# Altium PCB DAU-3Phase-Mainboard.PcbDoc (continued)
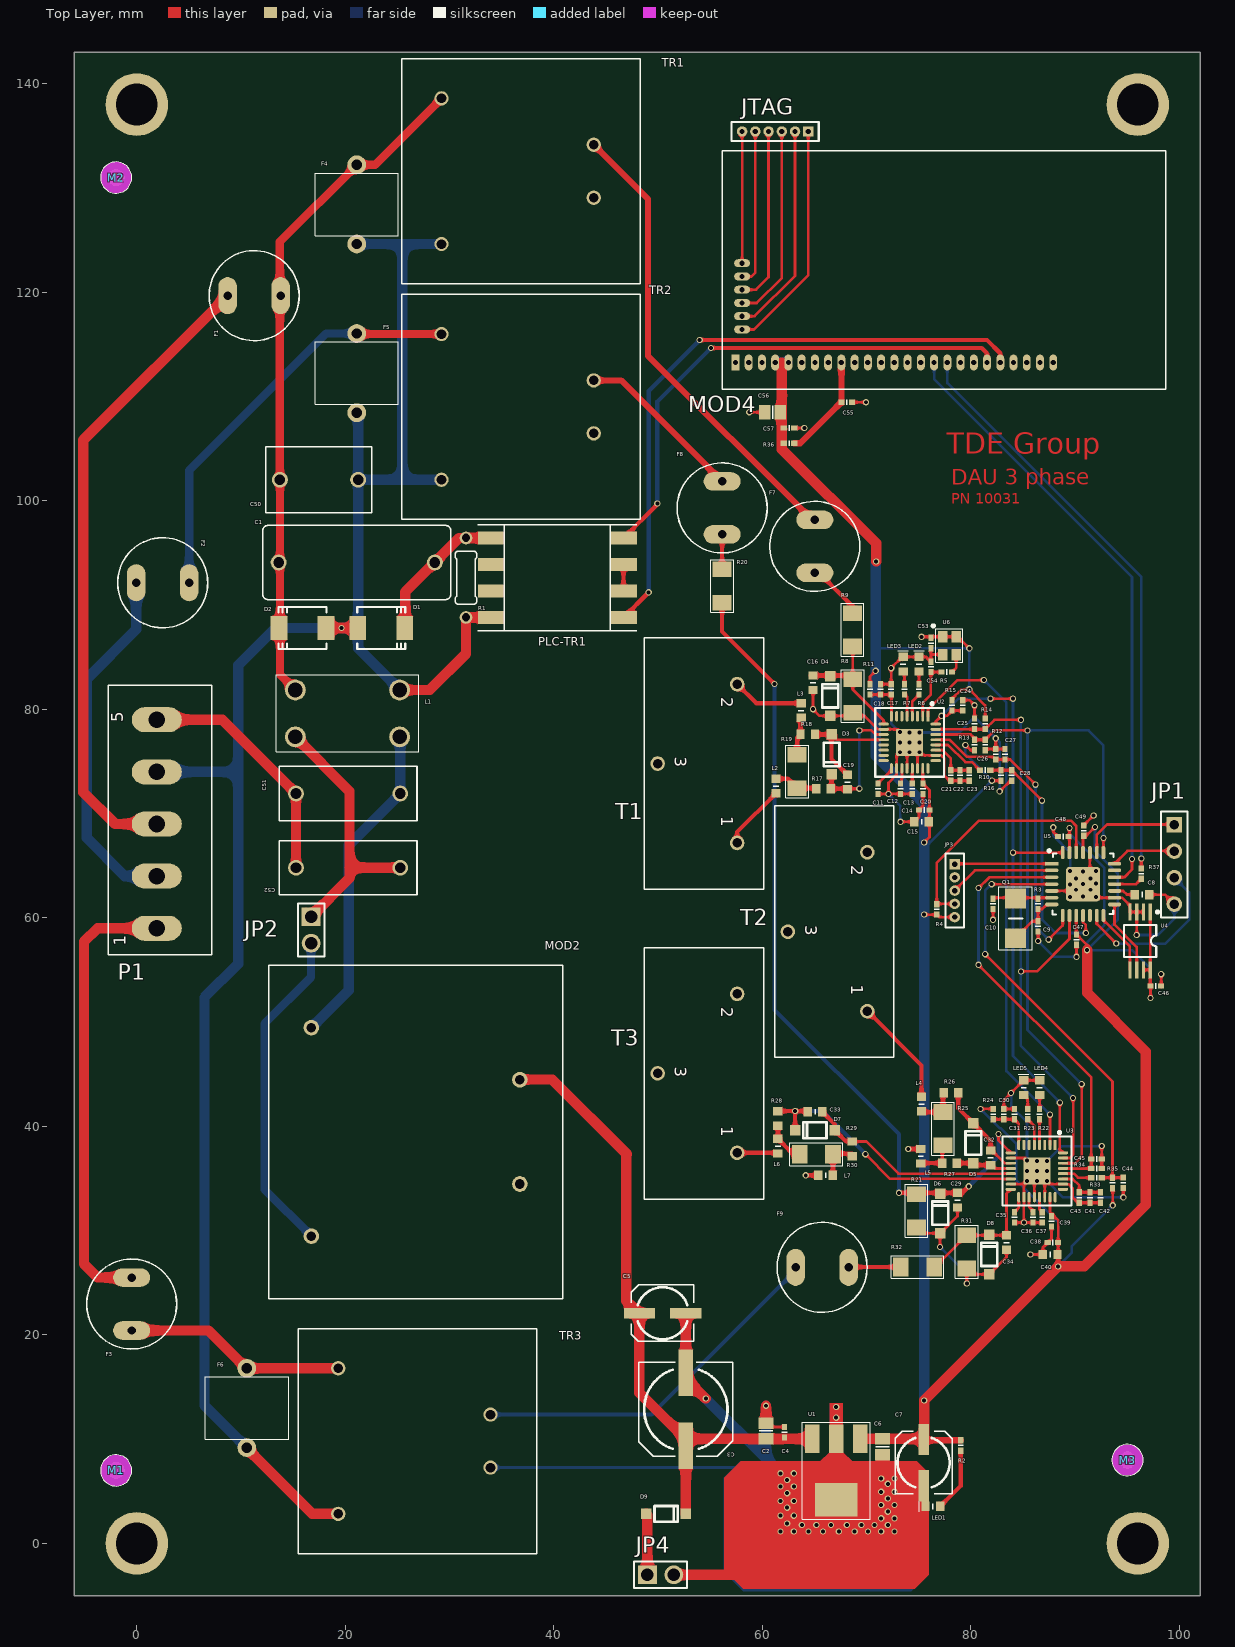
[diagram p0: Top Layer view]
## Footprints (in the part's own frame and the unit in brackets; to place one, negate y for a bottom-side part, rotate by r counter-clockwise, add the part's x,y. Pads: shape width x height; smd on the part's side, far side on the other; paste and mask are expansions set on the pad) (continued)
SMB [mm] "DO-214-AA/SMB; 2 C-Bend Leads; Body 5.3 x 3.6 mm, inc. leads (LxW)"
  rect 1.62x2.3 smd: 1(-2.25,0) 2(2.25,0)
  silkscreen extent -2.3,-2 2.3,2, body extent -2.3,-2 2.3,2, height 2.6
SOD123 [mm]
  rect 1x1 smd: 1(1.905,0) 2(-1.905,0)
  silkscreen extent -1.1,-0.76 1.14,0.76, body extent -1.4,-0.85 1.4,0.88, height 1.4
SOT223-1 [mm]
  rect 1.4x2.7 smd: 1(-2.3,-2.925) 2(0,-2.925) 3(2.3,-2.925)
  rect 4.1x3.2 smd: 2(0,2.925)
  silkscreen extent -3.25,-4.5 3.25,4.8, body extent -2.6,-2.85 2.5,2.9, height 2
TR5 [mil] "TR5"
  oval 70x140 hole 32: 1(-100,0) 2(100,0)
  silkscreen extent -170,-170 170,170, body extent -157,-163 168,163, height 343
TRAFO_0,35VA [mil] "TRAFO_0,35VA"
  round 54 hole 36: L(-287.5,275) N(-287.5,-275) OUT1(287.5,100) OUT2(287.5,-100)
  silkscreen extent -438,-425 462,425, body extent -438,-425 463,424, height 748
TSSOP8 [mm] "Shrink Small Outline, Plastic, Thin; 8 Leads; Body Width 4.4 mm; Pitch 0.65 mm"
  rect 0.3x1.65 smd: 1(-0.975,-2.775) 2(-0.325,-2.775) 3(0.325,-2.775) 4(0.975,-2.775) 5(0.975,2.775) 6(0.325,2.775) 7(-0.325,2.775) 8(-0.975,2.775)
  silkscreen extent -1.8,-2.9 1.55,1.55, body extent -1.52,-1.52 1.52,1.52, height 1
VTX-214-005-105 [mm] "VTX-214-005-105"
  round 1.5 hole 0.914: +VO(-5,10) -VO(5,10) L(10,-10) N(-10,-10)
  silkscreen extent -16,-14.1 16,14.1, body extent -16,-14.1 16,14.1, height 17.5
WE-0603 [mm] "Chip LED, 0603"
  rect 0.8x0.9 smd: 1(-0.7,0) 2(0.7,0)
  silkscreen extent -1.3,-0.5 0,0.5, body extent -0.8,-0.4 0.8,0.4, height 0.7
WE-CMB-XS [mm] "Filter choke"
  round 2 hole 1.4: 1(-5,-2.25) 2(5,-2.25) 3(5,2.25) 4(-5,2.25)
  silkscreen extent -6.85,-3.69 6.85,3.69, body extent -6.88,-3.75 6.91,3.75, height 16.32

## Part data
C1: "X2, PP"
C2 C6 C56: "AVX, X7R, 5%, 100V"
C3: "Panasonic, FT series"
C4 C9 C10 C17 C20 C21 C24 C25 C26 C27 C28 C31 C38 C43 C44 C45 C54 C57: "C series, 5%, 50V"
C5 C7: "Panasonic, TK series"
C8: "AVX ,  X5R, 20%, 10V"
C11 C12 C13 C14 C18 C22 C30 C35 C36 C37 C39 C42 C55: "AVX, X5R, 10%, 25V"
C15 C40: "MLCC series, X5R, 10%, 25V"
C16 C29 C34: "AVX ,  X7R, 5%, 50V"
C19 C32 C33: "GRM series,  X7R, 10%, 50V"
C23 C41: "AVX, X7R, 10%, 50V"
C46 C47 C48 C49: "C series, X5R, 10%, 50V"
C50: "X2 capacitor"
C51 C52: "Y2 capacitor"
C53: "TDK. CGA series, X7R, 10%, 16V"
D1 D2: "Transient voltage suppressor, 600W"
D3 D4 D5 D6 D7 D8: "Z-Diode, 1.8V,  0.5W"
D9: "Diode Schottky,2A,40V"
F4 F5 F6: "surge protector"
JP1: "Plug, 4-Pin"
JP2 JP4: "Header, 2-Pin"
JP3: "Header, 5-Pin"
JTAG: library part ICDI_1, "Header, 6-Pin"
L1: library part PowerChoke-1_2, "Power choke/EMC filter"
L2 L3 L4 L5 L6 L7: "WE, Ferrit, 1k5_50mA_0603"
LED1: "LED, 0603, green"
LED2 LED4: "LED, 0603, red"
LED3 LED5: "LED, 0603, yellow"
M1 M2 M3: library part Mark
MOD2: "PSU module"
MOD4: "RMS converter"
P1: "Plug, 08-Pin"
Q1: "Crystal, ABM3-8.000MHZ-D2Y-T"
R1: "MRS25 series, 1%, 600mW"
R2 R10 R11 R24 R33 R37: "CRCW series, 125mW, 1%"
R3 R36: "Vishay CRCW series, 64mW, 1%"
R4 R12 R13 R14 R15 R16 R34 R35: "Vishay CRCW series, 125mW, 1%"
R5 R6 R7 R22 R23: "Vishay CRCW series, 63mW, 1%"
R8 R9 R19 R20 R21 R25 R30 R31 R32: "MMA series, 1%, 250mW"
R17 R18 R26 R27 R28 R29: "Vishay CRCW series, 100mW, 1%"
T1 T2 T3: "Current transformer"
TR1 TR2 TR3: "WE-PD2, 10uH2A"
U1: "LDO, 3V3_1A"
U2 U3: "2 phase voltage/current measuring device"
U4: "I2C  EEPROM"
U5: "High Performance ROM-less Microcontroller"
U6: "Crystal"

## Free pads (board coordinates)
  round 6 hole 4 unplated: 0(0,0) 0(0,138) 0(96,0) 0(96,138)

## Via types
v1: diameter 0.6, hole 0.381, Top Layer to Bottom Layer, 141 vias

## Nets (pads, with @x,y where several pads share a name; then routed paths per layer and width w, separated by ;. In a path a pad name is that pad's centre, name@x,y a point inside that pad or via, vN(x,y) a via of type N, cw(c..) or ccw(c..) an arc to the next point about the centre after c; other vN are vias at no path point)
3V3: C6.1 C7.1 C14.1 C15.1 C20.1 C38.1 C39.1 C40.1 C46.2 C47.1 C48.1 C49.1 C53.1 C56.1 C57.1 JP3.5 MOD4.4 MOD4.5 R2.1 R4.2 R11.1 R13.1 R14.1 R15.1 R16.1 R24.1 R35.1 R36.1 U1.1 U2.23 U3.23 U4.1 U4.7 U4.8 U5.10 U5.25 U5.27 U6.1 U6.4 | length 318.7
  Top Layer w0.254: R11.1 70.314,83.141 v1(70.866,83.693) ; v1(75.267,86.953) U6.1 U6.4 78.623,86.992 78.696,86.992 v1(79.839,85.849) ; U2.23 75.374,72.907 C20.1 76.021,72.26 C14.1 76.021,67.732 v1(75.511,67.222) ; v1(75.519,60.308) R4.2 76.958,60.068 JP3.5 ; R15.1@78.188,80.749 78.188,81.023 79.077,81.912 v1(79.839,81.912) 81.363,80.388 R14.1 ; v1(79.458,76.578) 79.958,76.078 R13.1 ; v1(80.927,41.675) R24.1 ; v1(82.006,73.157) R16.1 ; U3.23 87.58,31.789 88.362,31.007 v1(88.362,26.57) ; U5.27 v1(89.45,68.626) ; U5.10 90.1,58.435 C47.1 91.142,57.393 v1(91.142,56.893) ; U5.25 90.75,67.558 v1(91.904,68.712) ; R35.1 93.599,34.041 v1(93.599,32.432) ; U4.7 U4.8 ; C46.2@97.178,53.499 C46.2 v1(97.226,52.315) ; C46.2@97.197,53.386 U4.8 ; U4.1 U4.8
  Top Layer w0.6: C7.1@75.393,10.034 C7.1 75.511,9.915 75.532,9.895 R2.1
  Top Layer w1: 61.859,113.259 61.859,104.956 70.908,95.907 v1(70.908,94.178) ; U1.1 C7.1@75.393,10.034 ; C7.1@75.511,9.915 v1(75.511,13.72) v1(88.362,26.57) 90.86,26.57 96.774,32.484 96.774,47.166 91.142,52.798 v1(91.142,56.893)
  Bottom Layer w0.254: 70.876,85.915 70.942,85.849 v1(79.839,85.849) v1(79.839,81.912) ; v1(75.511,67.222) 76.071,67.222 v1(82.006,73.157) 79.458,75.705 v1(79.458,76.578) ; v1(80.927,41.675) 82.795,39.807 82.869,39.807 84.328,38.348 84.328,34.845 88.362,30.811 v1(88.362,26.57) 89.662,27.87 89.662,28.495 v1(93.599,32.432) ; v1(89.45,68.626) 89.45,68.11 92.793,64.767 92.793,59.306 91.142,57.655 v1(91.142,56.893) ; v1(91.904,68.712) 91.904,66.418 94.063,64.259 94.063,59.814 v1(91.142,56.893) ; v1@97.246,52.202 97.246,55.107 95.46,56.893 v1(91.142,56.893)
  Bottom Layer w0.8: MOD4.4 MOD4.5
  Bottom Layer w1: v1@70.876,94.178 70.876,85.915 70.876,75.54 75.511,70.905 v1(75.511,67.222) v1(75.511,13.72)
5V: C2.1 C3.1 C4.1 C5.1 D9.1 MOD2.+VO U1.3 | length 62.2
  Top Layer w1: MOD2.+VO@36.753,44.494 39.853,44.494 47.012,37.335 46.946,37.269 46.946,23.27 C5.1@48.143,22.073 ; C5.1 48.204,14.456 C3.1@52.651,10.008 ; D9.1 C3.1 C3.1@52.651,10.008 ; U1.3 52.677,10.034 C3.1@52.651,10.008
GND: C2.2 C3.2 C4.2 C5.2 C6.2 C7.2 C8.2 C9.2 C10.2 C11.2 C12.2 C13.2 C14.2 C15.2 C16.2 C17.2 C18.2 C20.2 C21.2 C22.2 C23.2 C24.2 C25.2 C26.2 C27.2 C28.2 C29.2 C30.2 C31.2 C34.2 C35.2 C36.2 C37.2 C38.2 C39.2 C40.2 C41.2 C42.2 C43.2 C44.2 C45.2 C46.1 C47.2 C48.2 C49.2 C53.2 C54.2 C55.2 C56.2 C57.2 D4.2 D6.2 D8.2 JP1.4 JP3.2 JP4.2 L3.2 L5.2 L7.2 LED1.1 LED2.1 LED3.1 LED4.1 LED5.1 MOD2.-VO MOD4.2 MOD4.3 R8.1 R12.1 R21.1 R31.1 R34.1 T1.2 T2.2 T3.2 TR1.OUT2 TR2.OUT2 TR3.OUT2 U1.2 U2.10 U2.18 U2.20 U2.22 U2.26 U2.33 U3.10 U3.15 U3.18 U3.20 U3.22 U3.26 U3.33 U4.2 U4.3 U4.4 U5.5 U5.16 U5.24 U5.EXP U6.2 | length 270.9
  Top Layer w0.254: v1(58.748,108.497) C56.2 ; C2.2 60.722,11.165 C4.2 ; C57.2 v1(64.018,106.973) ; C16.2 v1(64.853,80.007) 65.488,79.372 D4.2 69.806,79.372 71.096,78.082 U2.10 72.874,78.082 v1(74.124,76.832) v1(75.074,75.882) 75.374,75.582 U2.26 77.152,75.582 77.426,75.308 77.426,73.665 77.934,73.157 C23.2@79.712,73.157 ; C55.2 v1(69.923,109.45) ; C11.2 v1(72.092,71.887) ; C18.2 C17.2 v1(72.346,83.944) 73.427,85.025 LED3.1 LED2.1 75.702,85.025 C54.2 76.156,85.214 ; v1(73.235,69.212) C15.2 75.021,69.666 C14.2 75.394,70.728 C20.2 ; U2.20 73.874,76.582 v1(73.174,75.882) 72.874,75.582 U2.18 72.874,73.729 72.092,72.947 v1(72.092,71.887) ; C13.2 C12.2 v1(72.092,71.887) ; R21.1 75.332,29.745 D6.2 ; U2.22 U2.33@74.874,75.882 ; L5.2@75.174,37.821 L5.2 ; C53.2 76.156,85.214 ; v1(77.035,28.423) 77.035,29.722 D6.2 ; U6.2 76.195,85.253 76.156,85.214 ; C29.2 78.71,31.396 D6.2 ; C24.2 79.855,80.88 v1(80.347,80.388) v1@80.355,80.38 ; v1(79.599,24.919) R31.1 80.158,25.808 D8.2 83.409,27.459 C34.2 ; C25.2 v1@80.347,80.372 ; C26.2 81.474,76.189 R12.1 ; v1(82.125,59.814) C10.2 ; v1(82.379,77.213) R12.1 ; v1(82.76,72.133) 83.784,73.157 C28.2 ; C27.2 R12.1 ; U3.15 U3.33@85.08,34.464 ; U3.10 85.08,36.964 v1(86.33,35.714) v1(87.28,34.764) 87.58,34.464 U3.26 89.358,34.464 89.759,34.063 89.759,33.174 90.259,32.674 C43.2 C41.2 C42.2 ; C35.2 C37.2 ; C31.2 C30.2 83.155,42.51 v1(83.852,43.207) LED5.1 LED4.1 ; v1(85.08,30.781) U3.18 U3.33@85.08,34.464 ; v1(85.695,27.713) C40.2 86.9,28.402 C38.2 87.727,29.229 C39.2 ; U3.20 86.08,35.464 v1(85.38,34.764) U3.33@85.08,34.464 ; v1(86.443,57.782) C9.2 ; U3.22 U3.33@87.08,34.764 ; U5.5 90.1,62.582 U5.EXP@90.75,63.232 ; v1(87.894,68.682) 87.894,68.246 C48.2 ; v1(90.126,56.258) C47.2 ; C49.2@90.815,68.873 v1(91.767,69.825) ; U5.24 91.41,63.892 U5.EXP@90.75,63.232 ; R34.1 C45.2 v1(92.545,38.109) ; v1(94.615,33.194) C44.2@94.615,33.964 ; v1(95.897,58.354) U4.3 ; U4.2 U4.3 ; C8.2 98.604,62.227 JP1.4 ; C46.1@98.246,53.337 v1(98.246,54.599) ; U5.EXP@90.75,63.232 92.05,61.932 U5.16 94.485,61.932 95.247,61.17 U4.4 U4.3
  Top Layer w0.4: T1.2 59.413,80.58 L3.2 ; v1(64.155,35.303) L7.2 ; v1(73.987,37.821) L5.2@75.174,37.821
  Top Layer w1: JP4.2 57.604,-3.009 57.668,-2.946 ; C5.2 52.651,22.071 C3.2 52.651,15.818 v1(54.572,13.898) ; C2.2 v1(60.345,13.205) ; C6.2 71.521,7.473 71.564,7.429
  Bottom Layer w0.254: TR3.OUT2 61.192,7.278 v1(61.742,6.728) ; v1(72.092,71.887) 73.235,70.744 v1(73.235,69.212) ; v1(72.346,83.944) 72.346,78.66 v1(73.174,77.832) ; v1(75.074,77.782) 78.884,77.782 80.347,79.245 ; v1(77.035,28.423) 79.599,25.86 v1(79.599,24.919) ; v1(80.347,80.388) 80.347,79.245 ; v1(82.76,72.133) 82.76,76.832 v1(82.379,77.213) 80.347,79.245 ; v1(83.852,43.207) 83.852,41.925 85.38,40.397 v1(85.38,36.714) ; v1(86.443,57.782) 87.967,56.258 v1(90.126,56.258) ; v1(87.28,34.764) 88.85,33.194 v1(94.615,33.194) ; v1(87.28,36.664) 88.725,38.109 v1(92.545,38.109) ; v1(87.894,68.682) 87.894,67.888 89.511,66.271 U5.EXP@89.511,64.493 ; v1(95.897,58.354) 97.937,58.354 99.514,59.931 JP1.4
  Bottom Layer w1: v1(54.572,13.898) 60.345,8.125 ; v1(60.345,13.205) 60.345,8.125 ; 61.192,7.278 60.345,8.125
  other v1: 61.742,1.14 63.012,1.14 64.409,1.14 65.806,1.14 67.33,1.14 68.854,1.14 70.124,1.14 71.394,1.14 72.664,1.14 63.774,1.775 65.171,1.775 66.568,1.775 68.092,1.775 69.489,1.775 70.759,1.775 72.029,1.775 62.377,1.902 71.394,2.41 72.664,2.41 61.742,2.664 63.012,2.664 72.029,3.045 62.377,3.426 71.394,3.68 72.664,3.68 61.742,4.061 63.012,4.061 72.029,4.315 62.377,4.823 71.394,4.95 72.664,4.95 61.742,5.458 63.012,5.458 72.029,5.712 62.377,6.093 71.394,6.22 72.664,6.22 63.012,6.728 67.076,12.062 67.076,13.078 86.33,34.764 85.38,35.714 87.28,35.714 86.33,36.664 74.124,75.882 73.174,76.832 75.074,76.832 74.124,77.782
NetC1_1: C1.1 C50.1 D2.2 F1.2 F4.2 L1.2 TR1.L | length 64.1
  Top Layer w0.8: C50.1 13.722,124.852 F4.2 22.85,132.226 TR1.L ; C50.1@13.726,101.321 13.726,83.331 L1.2
NetC1_2: C1.2 D1.2 PLC-TR1.L5 R1.2 | length 13.7
  Top Layer w1: D1.2@25.755,87.796 25.755,91.252 C1.2 30.934,96.432 PLC-TR1.L5@33.855,96.432
NetC8_1: C8.1 U5.17 | length 2.1
  Top Layer w0.254: U5.17 94.597,62.582 94.952,62.227 C8.1
NetC9_1: C9.1 Q1.1 R3.1 U5.7 | length 5.5
  Top Layer w0.254: Q1.1 85.922,59.679 C9.1 R3.1 86.832,60.838 87.276,61.282 U5.7
NetC10_1: C10.1 Q1.2 R3.2 U5.6 | length 5.8
  Top Layer w0.254: C10.1 82.219,61.932 Q1.2@84.375,61.932 ; Q1.2 Q1.2@84.375,61.932 ; U5.6 Q1.2@84.375,61.932
NetC11_1: C11.1 U2.17 | length 2
  Top Layer w0.254: C11.1 72.374,74.185 U2.17
NetC12_1: C12.1 U2.19 | length 1.5
  Top Layer w0.254: C12.1 73.374,73.026 U2.19
NetC13_1: C13.1 U2.21 | length 1.4
  Top Layer w0.254: U2.21 74.374,72.891 C13.1
NetC16_1: C16.1 D4.1 R8.2 R9.2 U2.9 | length 12.9
  Top Layer w0.254: R8.2@68.293,83.247 R8.2 ; R9.2 68.663,86.01 R8.2 ; U2.9 71.624,78.951 68.663,81.912 R8.2
  Top Layer w0.4: C16.1@64.63,83.247 C16.1 R8.2@68.293,83.247
NetC17_1: C17.1 C18.1 R11.2 U2.8 | length 4.1
  Top Layer w0.254: R11.2 C17.1 72.374,81.384 U2.8
NetC19_1: C19.1 D3.1 R17.1 U2.11 | length 12.3
  Top Layer w0.254: C19.1 68.22,72.387 v1(69.298,72.387) ; v1(69.298,77.975) 70.441,77.975 70.834,77.582 U2.11
  Top Layer w0.4: D3.1 66.631,72.449 R17.1 68.09,72.387 C19.1
  Bottom Layer w0.254: v1(69.298,72.387) v1(69.298,77.975)
NetC19_2: C19.2 D3.2 R18.1 U2.12 | length 11.3
  Top Layer w0.254: D3.2 67.143,77.082 U2.12
  Top Layer w0.4: R18.1 D3.2 66.631,75.246 C19.2
NetC21_1: C21.1 C22.1 C23.1 U2.27 | length 4.6
  Top Layer w0.254: U2.27 77.287,76.082 78.061,75.308 C21.1 C23.1@79.712,74.157
NetC24_1: C24.1 R15.2 U2.32 U3.32 U5.28 | length 61.2
  Top Layer w0.254: U2.32 76.624,78.824 v1(77.172,79.372) 77.18,79.38 77.688,79.38 R15.2 C24.1 ; v1(81.871,81.023) v1(84.03,81.023) ; v1(84.03,66.254) U5.28 ; v1(88.529,42.266) 88.529,37.909 88.457,37.837 U3.32
  Bottom Layer w0.254: v1(77.172,79.372) 78.823,81.023 v1(81.871,81.023) ; v1(84.03,81.023) 84.03,46.765 v1(88.529,42.266)
NetC25_1: C25.1 R14.2 U2.31 U3.31 U5.9 | length 61.6
  Top Layer w0.254: U2.31 81.335,78.082 R14.2 82.244,78.991 v1(84.792,78.991) ; v1(84.792,54.861) 86.316,54.861 89.45,57.995 U5.9 ; U3.31 89.485,36.964 89.799,37.278 v1(89.799,42.711)
  Bottom Layer w0.254: v1(84.792,78.991) 84.792,47.718 v1(89.799,42.711)
NetC26_1: C26.1 R13.2 U2.30 U3.30 U5.22 | length 72.6
  Top Layer w0.254: U2.30 79.978,77.582 80.482,77.078 C26.1 82.26,77.975 v1(85.427,77.975) ; U3.30 90.001,36.464 ; 90.013,36.476 90.624,37.088 v1(90.624,44.044) ; U5.22 v1(92.706,67.648)
  Bottom Layer w0.254: v1(90.624,44.044) 85.427,49.242 v1(85.427,77.975) 91.269,77.975 92.706,76.538 v1(92.706,67.648)
NetC27_1: C27.1 R12.2 U2.29 U5.8 | length 29.6
  Top Layer w0.254: U2.29 77.938,77.082 78.074,76.946 78.089,76.946 79.6,75.435 82.133,75.435 R12.2 C27.1 83.768,75.189 v1(86.189,72.768) ; v1(87.459,57.909) 88.8,59.25 U5.8
  Bottom Layer w0.254: v1(86.189,72.768) 86.189,59.179 v1(87.459,57.909)
NetC28_1: C28.1 R10.2 R16.2 U5.11 | length 24.1
  Top Layer w0.254: R10.2 R16.2@82.879,74.165 ; R16.2 C28.1 v1(86.82,71.24) ; U5.11 90.75,59.571 91.015,59.306 v1(91.015,58.544)
  Bottom Layer w0.254: v1(86.82,71.24) 86.82,59.818 88.094,58.544 v1(91.015,58.544)
NetC29_1: C29.1 D6.1 R20.2 R21.2 U3.9 | length 78.7
  Top Layer w0.254: v1(73.098,33.63) v1@73.109,33.62 ; v1(82.647,39.27) 82.647,38.647 U3.9
  Top Layer w0.4: R20.2 56.134,87.456 v1(61.17,82.42) ; v1@73.109,33.62 C29.1 ; C29.1@79.111,33.575 v1(79.79,34.254)
  Bottom Layer w0.4: v1(61.17,82.42) 61.17,51.178 73.098,39.25 v1(73.098,33.63) ; v1(79.79,34.254) 82.647,37.111 v1(82.647,39.27)
NetC30_1: C30.1 C31.1 R24.2 U3.8 | length 4.7
  Top Layer w0.254: R24.2 C31.1 84.58,40.266 U3.8
NetC32_1: C32.1 D5.1 R26.1 U3.11 | length 9.2
  Top Layer w0.254: C32.1@81.949,37.747 83.232,36.464 U3.11
  Top Layer w0.4: R26.1 78.775,41.745 D5.1 81.885,38.635 C32.1
NetC32_2: C32.2 D5.2 R27.1 U3.12 | length 5.4
  Top Layer w0.254: D5.2 D5.2@80.426,36.284 ; C32.2@81.949,36.347 82.332,35.964 U3.12
  Top Layer w0.4: R27.1 D5.2 ; D5.2@80.426,36.284 C32.2
NetC33_1: C33.1 D7.1 R28.1 U3.14 | length 28.1
  Top Layer w0.254: C33.1@64.279,41.464 C33.1 ; v1(69.87,37.335) 72.241,34.964 U3.14
  Top Layer w0.4: R28.1 v1(63.139,41.464) ; D7.1 v1(63.139,41.464) ; C33.1@64.279,41.464 v1(63.139,41.464)
  Bottom Layer w0.4: v1(63.139,41.464) 65.741,41.464 v1(69.87,37.335)
NetC33_2: C33.2 D7.2 R29.1 U3.13 | length 20.9
  Top Layer w0.254: D7.2 66.949,40.194 ; R29.1 69.964,38.543 73.043,35.464 U3.13
  Top Layer w0.4: C33.2 66.949,40.194 ; D7.2 67.981,38.589 R29.1@68.6,38.589
NetC34_1: C34.1 D8.1 R31.2 R32.2 U3.16 | length 12.5
  Top Layer w0.254: R32.2@76.698,26.666 R31.2 79.61,29.556 C34.1 83.409,33.543 U3.16
NetC35_1: C35.1 U3.17 | length 1.6
  Top Layer w0.254: C35.1 84.58,32.178 U3.17
NetC36_1: C36.1 U3.19 | length 1.4
  Top Layer w0.254: U3.19 85.58,32.273 C36.1@85.89,31.963
NetC37_1: C37.1 U3.21 | length 1.6
  Top Layer w0.254: U3.21 86.58,32.027 C37.1
NetC41_1: C41.1 C42.1 C43.1 U3.27 | length 4.5
  Top Layer w0.254: U3.27 89.747,34.964 90.394,34.317 C43.1 C41.1 C42.1
NetC44_1: C44.1 R33.2 R35.2 U5.4 | length 41.3
  Top Layer w0.254: v1(81.363,56.512) 93.569,44.306 R35.2@93.569,35.079 ; v1(81.987,63.232) U5.4 ; R33.2 R35.2@93.569,35.079 ; R35.2 R35.2@93.569,35.079 ; C44.1@94.615,35.079 R35.2@93.569,35.079
  Bottom Layer w0.254: v1(81.363,56.512) 81.363,62.608 v1(81.987,63.232)
NetC45_1: C45.1 R34.2 U3.29 U5.3 | length 41.5
  Top Layer w0.254: v1(80.728,55.496) 91.545,44.679 C45.1 R34.2 ; v1(80.728,62.862) 81.758,63.892 U5.3 ; U3.29 R34.2@91.545,35.964
  Bottom Layer w0.254: v1(80.728,55.496) v1(80.728,62.862)
NetC50_2: C50.2 D1.1 D2.1 F4.1 F5.1 F6.1 L1.1 P1.4 PLC-TR1.8N R1.1 TR1.N TR2.N TR3.N | length 194.8
  Top Layer w1: F6.1@10.477,9.193 16.837,2.833 TR3.N ; D2.1 v1(19.631,87.796) D1.1 ; L1.1 28.105,81.854 31.569,85.319 R1.1 PLC-TR1.8N
  Bottom Layer w1: P1.4 9.725,74 ; 9.725,77.318 9.725,78.017 ; F6.1 6.487,13.257 6.487,52.363 9.725,55.601 9.725,78.017 ; F5.1 21.223,108.317 C50.2 ; F4.1 TR1.N ; L1.1 21.223,85.835 21.223,87.796 ; 25.473,124.626 25.473,102.02 ; TR2.N 25.473,102.02 ; 9.725,78.017 9.725,84.24 13.281,87.796 v1(19.631,87.796) 21.223,87.796 ; 21.223,87.796 C50.2 ; C50.2 25.473,102.02
NetC51_1: C51.1 L1.4 MOD2.N | length 31.3
  Bottom Layer w1: MOD2.N 20.33,53.059 20.33,66.984 C51.1 L1.4@25.267,77.291
NetC52_1: C52.1 JP2.1 L1.3 | length 25.8
  Top Layer w1: L1.3 20.393,72.164 20.393,64.809 ; JP2.1 20.393,63.793 20.393,64.809 ; C52.1 20.393,64.809
NetC54_1: C54.1 R5.2 U2.2 | length 5.6
  Top Layer w0.254: U2.2 75.374,80.622 76.156,81.404 C54.1 R5.2
NetC55_1: C55.1 MOD4.9 R36.2 | length 10
  Top Layer w0.6: R36.2 63.629,105.513 67.574,109.458 MOD4.9
NetD9_2: D9.2 JP4.1 | length 5.9
  Top Layer w1: D9.2 48.968,2.706 JP4.1
NetF1_1: F1.1 P1.3 | length 61.7
  Top Layer w1: P1.3 -2.086,69 -5.134,72.048 -5.134,105.83 F1.1
NetF2_1: F2.1 P1.2 | length 34.7
  Bottom Layer w1: F2.1 -0.064,87.659 -4.816,82.906 -4.816,67.666 -1.149,64 P1.2
NetF2_2: F2.2 F5.2 TR2.L | length 40.4
  Top Layer w0.8: F5.2@21.15,115.99 TR2.L
  Top Layer w1: F5.2 F5.2@21.15,115.99
  Bottom Layer w0.8: F2.2 5.016,102.899 18.161,116.043 F5.2
NetF3_1: F3.1 P1.1 | length 43.5
  Top Layer w1: F3.1 -3.737,25.502 -5.07,26.836 -5.07,57.697 -3.767,59 P1.1
NetF3_2: F3.2 F6.2 TR3.L | length 21.3
  Top Layer w1: F3.2 6.868,20.422 10.497,16.793 TR3.L@19.314,16.793
NetF7_1: F7.1 TR1.OUT1 | length 44.9
  Top Layer w0.6: TR1.OUT1 49.022,128.954 49.022,113.919 64.77,98.171 F7.1
NetF7_2: F7.2 R9.1 | length 5.1
  Top Layer w0.4: F7.2 65.418,93.091 R9.1@68.771,89.738
NetF8_1: F8.1 TR2.OUT1 | length 16.3
  Top Layer w0.6: TR2.OUT1 46.443,111.545 F8.1
NetF8_2: F8.2 R20.1 | length 3.4
  Top Layer w0.4: R20.1 F8.2
NetF9_1: F9.1 TR3.OUT1 | length 35.3
  Bottom Layer w0.4: TR3.OUT1 49.378,12.358 63.182,26.162 F9.1
NetF9_2: F9.2 R32.1 | length 5
  Top Layer w0.4: F9.2@68.263,26.519 R32.1
NetJP1_1: JP1.1 U5.23 | length 9.6
  Top Layer w0.254: U5.23 92.071,67.982 93.047,68.958 JP1.1@99.514,68.958
NetJP1_2: JP1.2 U5.21 | length 6.3
  Top Layer w0.254: U5.21 95.003,66.418 JP1.2@99.514,66.418
NetJP1_3: JP1.3 U5.13 | length 16
  Top Layer w0.254: U5.13 92.071,59.393 v1(93.936,57.528)
  Bottom Layer w0.254: v1(93.936,57.528) 98.647,57.528 100.921,59.802 100.921,62.45 JP1.3
NetJP2_2: JP2.2 MOD2.L | length 31.8
  Bottom Layer w0.8: JP2.2 16.71,54.302 12.265,49.857 12.265,33.95 MOD2.L
NetJP3_1: JP3.1 U5.1 | length 8.9
  Top Layer w0.254: JP3.1@78.823,65.187 U5.1
NetJP3_3: JP3.3 U5.2 | length 10.1
  Top Layer w0.254: JP3.3 80.387,64.552 U5.2
NetJP3_4: JP3.4 R4.1 U5.26 | length 23.5
  Top Layer w0.254: R4.1 R4.1@76.718,61.338 ; JP3.4 R4.1@76.718,61.338 ; U5.26 90.1,68.826 89.608,69.317 80.782,69.317 76.718,65.254 R4.1@76.718,61.338
NetJTAG_1: JTAG.1 MOD4.26 | length 22.3
  Top Layer w0.254: MOD4.26 59.192,116.434 64.399,121.641 JTAG.1
NetJTAG_2: JTAG.2 MOD4.27 | length 20.5
  Top Layer w0.254: MOD4.27 59.255,117.704 63.129,121.578 JTAG.2
NetJTAG_3: JTAG.3 MOD4.28 | length 18.8
  Top Layer w0.254: MOD4.28 59.446,118.974 61.859,121.387 JTAG.3
NetJTAG_4: JTAG.4 MOD4.29 | length 17
  Top Layer w0.254: MOD4.29 59.382,120.244 60.589,121.451 JTAG.4
NetJTAG_5: JTAG.5 MOD4.30 | length 15
  Top Layer w0.254: MOD4.30 58.938,121.514 59.319,121.895 JTAG.5
NetJTAG_6: JTAG.6 MOD4.31 | length 12.6
  Top Layer w0.254: MOD4.31 JTAG.6
NetL2_1: L2.1 R17.2 R19.2 | length 4.3
  Top Layer w0.4: L2.1 62.426,73.341 R19.2 65.118,72.438 R17.2
NetL2_2: L2.2 T1.1 | length 6.3
  Top Layer w0.4: T1.1 57.573,68.217 L2.2
NetL3_1: L3.1 R18.2 R19.1 | length 3.7
  Top Layer w0.4: R19.1 63.329,77.278 R18.2 63.645,79.115 L3.1
NetL4_1: L4.1 R25.2 R26.2 | length 4
  Top Layer w0.254: R25.2@77.302,41.367 R25.2 ; R26.2@77.313,43.145 R26.2
  Top Layer w0.4: L4.1@75.154,41.367 R25.2@77.302,41.367 ; R25.2 R26.2@77.313,43.145
NetL4_2: L4.2 T2.1 | length 10.4
  Top Layer w0.4: T2.1 75.257,45.854 L4.2
NetL5_1: L5.1 R25.1 R27.2 | length 3.6
  Top Layer w0.254: R27.2 77.248,38.113 R25.1
  Top Layer w0.4: L5.1@75.346,36.476 R27.2
NetL6_1: L6.1 R28.2 R30.2 | length 4
  Top Layer w0.254: R30.2@62.95,37.335 R30.2
  Top Layer w0.4: R28.2 L6.1 R30.2@62.95,37.335
NetL6_2: L6.2 T3.1 | length 3.9
  Top Layer w0.254: L6.2@61.423,37.462 L6.2
  Top Layer w0.4: T3.1 L6.2@61.423,37.462
NetL7_1: L7.1 R29.2 R30.1 | length 3.9
  Top Layer w0.254: R30.1@66.76,37.324 R30.1 R30.1@66.833,37.397
  Top Layer w0.4: L7.1 R30.1@66.76,37.324 ; R30.1@66.833,37.397 R29.2@68.6,37.397
NetLED1_2: LED1.2 R2.2 | length 6.2
  Top Layer w0.4: LED1.2 79.014,5.52 R2.2
NetLED2_2: LED2.2 R6.1 | length 1.2
  Top Layer w0.254: R6.1 LED2.2
NetLED3_2: LED3.2 R7.1 | length 1.3
  Top Layer w0.254: LED3.2 73.616,83.498 R7.1
NetLED4_2: LED4.2 R22.1 | length 1.3
  Top Layer w0.254: R22.1 LED4.2
NetLED5_2: LED5.2 R23.1 | length 1.5
  Top Layer w0.254: LED5.2 85.441,42.634 R23.1
NetMOD4_16: MOD4.16 U5.19 | length 58.5
  Top Layer w0.254: U5.19 94.712,63.892 95.45,64.63 v1(95.45,65.634)
  Bottom Layer w0.254: MOD4.16 76.464,111.672 95.45,92.685 v1(95.45,65.634)
NetMOD4_17: MOD4.17 R37.2 | length 56.2
  Top Layer w0.254: R37.2 v1(96.339,65.698)
  Bottom Layer w0.254: MOD4.17 77.734,111.291 96.339,92.685 v1(96.339,65.698)
NetMOD4_20: MOD4.20 PLC-TR1.1LINE1 | length 49.3
  Top Layer w0.4: PLC-TR1.1LINE1 49.921,99.67 v1(49.921,99.734) ; v1(55.064,114.656) 81.036,114.656 81.544,114.148 MOD4.20
  Bottom Layer w0.4: v1(49.921,99.734) 49.921,109.513 v1(55.064,114.656)
NetMOD4_21: MOD4.21 PLC-TR1.4LINE2 | length 59.9
  Top Layer w0.4: PLC-TR1.4LINE2 v1(49.095,91.225) ; v1(53.985,115.418) 81.544,115.418 82.814,114.148 MOD4.21
  Bottom Layer w0.4: v1(49.095,91.225) 49.095,110.529 v1(53.985,115.418)
NetPLC-TR1_2: PLC-TR1.2 PLC-TR1.3 | length 2.5
  Top Layer w0.4: PLC-TR1.3 PLC-TR1.2
NetR5_1: R5.1 U6.3 | length 1.8
  Top Layer w0.254: R5.1 78.584,83.975 U6.3
NetR6_2: R6.2 U2.4 | length 2.3
  Top Layer w0.254: U2.4 74.374,80.773 R6.2
NetR7_2: R7.2 U2.5 | length 2.2
  Top Layer w0.254: R7.2 73.874,81.154 U2.5
NetR10_1: R10.1 U2.28 | length 5.1
  Top Layer w0.254: U2.28 77.803,76.582 79.458,74.927 80.093,74.927 R10.1@80.728,74.292
NetR22_2: R22.2 U3.4 | length 2.5
  Top Layer w0.254: R22.2@86.457,40.675 86.58,40.552 U3.4
NetR23_2: R23.2 U3.5 | length 2.7
  Top Layer w0.254: R23.2 86.08,40.036 U3.5
NetR33_1: R33.1 U3.28 | length 2.9
  Top Layer w0.254: U3.28 89.882,35.464 90.267,35.079 R33.1
NetR37_1: R37.1 U5.18 | length 2.8
  Top Layer w0.254: U5.18 95.834,63.232 R37.1
NetU2_1: U2.1 U3.2 | length 54.4
  Top Layer w0.254: U2.1 75.874,79.979 78.696,82.801 v1(81.236,82.801) ; U3.2 v1@87.58,41.123
  Bottom Layer w0.254: v1(81.236,82.801) 83.395,80.642 83.395,45.305 v1(87.576,41.123)
NetU4_5: U4.5 U5.14 | length 6.3
  Top Layer w0.254: U5.14 92.706,59.774 95.247,57.233 U4.5
NetU4_6: U4.6 U5.15 | length 7.2
  Top Layer w0.254: U5.15 93.772,59.343 95.897,57.218 U4.6
PE: C51.2 C52.2 P1.5 | length 23.4
  Top Layer w1: P1.5 8.187,79 C51.2 C52.2
pads on no net: M1.0 M2.0 M3.0 MOD4.1 MOD4.6 MOD4.7 MOD4.8 MOD4.10 MOD4.11 MOD4.12 MOD4.13 MOD4.14 MOD4.15 MOD4.18 MOD4.19 MOD4.22 MOD4.23 MOD4.24 MOD4.25 PLC-TR1.6NC PLC-TR1.7NC T1.3 T2.3 T3.3 U2.3 U2.6 U2.7 U2.13 U2.14 U2.15 U2.16 U2.24 U2.25 U3.1 U3.3 U3.6 U3.7 U3.24 U3.25 U5.12 U5.20

## Polygon pours and split planes (outlines as drawn)
GND on Bottom Layer "GND" (solid, pour order 2): 43.063,142.66 43.063,104.179 45.92,104.179 47.19,104.179 47.19,72.873 47.19,46.203 35.951,46.203 35.316,46.203 35.316,29.249 35.316,13.818 33.474,13.818 32.458,13.818 32.458,5.246 32.458,-4.533 101.292,-4.533 101.292,142.596 101.229,142.596

## Other copper
Top Layer:
  region net GND: 66.441,13.459 66.441,8.76 65.552,7.871 57.932,7.871 56.344,6.284 56.344,-2.51 58.176,-4.343 74.623,-4.342 75.966,-2.999 75.966,6.728 74.823,7.871 68.6,7.871 67.711,8.76 67.711,13.459
  text "TDE Group" at 77.66,104.521 h2
  text "DAU 3 phase" at 78.105,101.536 h1.5
  text "PN 10031" at 78.105,99.695 h1
Bottom Layer:
  region net GND: 66.441,13.459 66.441,8.76 65.552,7.871 57.868,7.871 56.28,6.283 56.281,-2.701 58.152,-4.572 74.266,-4.572 75.966,-2.872 75.966,6.728 74.823,7.871 68.6,7.871 67.711,8.76 67.711,13.459

## Silkscreen, mask and mechanical layers (free items; w line width, h text height)
Top Solder:
  region: 66.441,13.459 66.441,8.76 65.552,7.871 57.932,7.871 56.344,6.284 56.344,-2.701 57.858,-4.216 74.241,-4.216 75.966,-2.491 75.966,6.728 74.823,7.871 68.6,7.871 67.711,8.76 67.711,13.459
  text "TDE Group" at 77.66,104.521 h2
  text "DAU 3 phase" at 78.105,101.536 h1.5
  text "PN 10031" at 78.105,99.695 h1
Bottom Solder:
  region: 66.441,13.459 66.441,8.76 65.552,7.871 57.932,7.871 56.281,6.22 56.281,-2.638 58.215,-4.572 74.202,-4.572 75.966,-2.809 75.966,6.728 74.823,7.871 68.6,7.871 67.711,8.76 67.711,13.459
Import:
  drawing of 933 lines, arcs and shapes, not listed
  text "142.00" at 47.502,189.686 h3.3
  text "138.00" at 48,183.186 h3.3
  text "129.00" at 48,176.686 h3.3
  text "110.40" at 48,170.186 h3.3
  text "2" at -1.944,133.513 h4 r270
  text "1" at 94,132.915 h4 r270
  text "146.00" at -81.36,67.35 h3.3 r90
  text "138.00" at -74.86,67.35 h3.3 r90
  text "127.00" at -68.36,67.35 h3.3 r90
  text "120.30" at -61.86,67.35 h3.3 r90
  text "114.40" at -55.36,67.35 h3.3 r90
  text "104.50" at -48.86,67.35 h3.3 r90
  text "2.50" at 9.102,25.716 h3.3 r66.08
  text "3.30" at 0.38,25.101 h3.3 r83.23
  text "6.00" at -9.762,22.953 h3.3 r297.67
  text "4.10" at 20.154,17.258 h3.3 r52.2
  text "8.80" at 25.57,13.433 h3.3 r35.19
  text "1" at 2,5.085 h4 r90
  text "2" at 97.944,4.487 h4 r90
  text "20.00" at 48,-19.408 h3.3
  text "78.00" at 48,-25.908 h3.3
  text "96.00" at 48,-32.408 h3.3
  text "125.00" at 48,-38.908 h3.3
  text "146.00" at 48,-45.461 h3.3
Outline:
  the board outline again, w0.254

## Dimensions
-5.984,-5 to 102.016,-5 on Mechanical 16
102.016,-5 to 102.016,143 on Mechanical 16

## Text inside footprints (layer, text, board x,y; h text height)
P1: Top Overlay "5" at -0.915,78.77 h1.97 r90; Top Overlay "1" at -0.675,57.33 h1.97 r90
T1: Top Overlay "3" at 51.223,75.435 h1.97 r270; Top Overlay "2" at 55.668,81.15 h1.97 r270; Top Overlay "1" at 55.668,69.72 h1.97 r270
T2: Top Overlay "3" at 63.71,59.306 h1.97 r270; Top Overlay "2" at 68.155,65.021 h1.97 r270; Top Overlay "1" at 68.155,53.591 h1.97 r270
T3: Top Overlay "3" at 51.223,45.717 h1.97 r270; Top Overlay "2" at 55.668,51.432 h1.97 r270; Top Overlay "1" at 55.668,40.002 h1.97 r270